# Altium PCB matrix.PcbDoc (part 2 of 5)
Units mm, origin at the board's own origin, x right, y up, seen from the top; angles counter-clockwise.
Board outline 350 x 105 mm, 2 copper layers (Top Layer, Bottom Layer), stack 1.571 mm thick; 187 components, 143 nets, 1443 pads, 602 vias.
Unrouted connection lines stored in the file: 3.
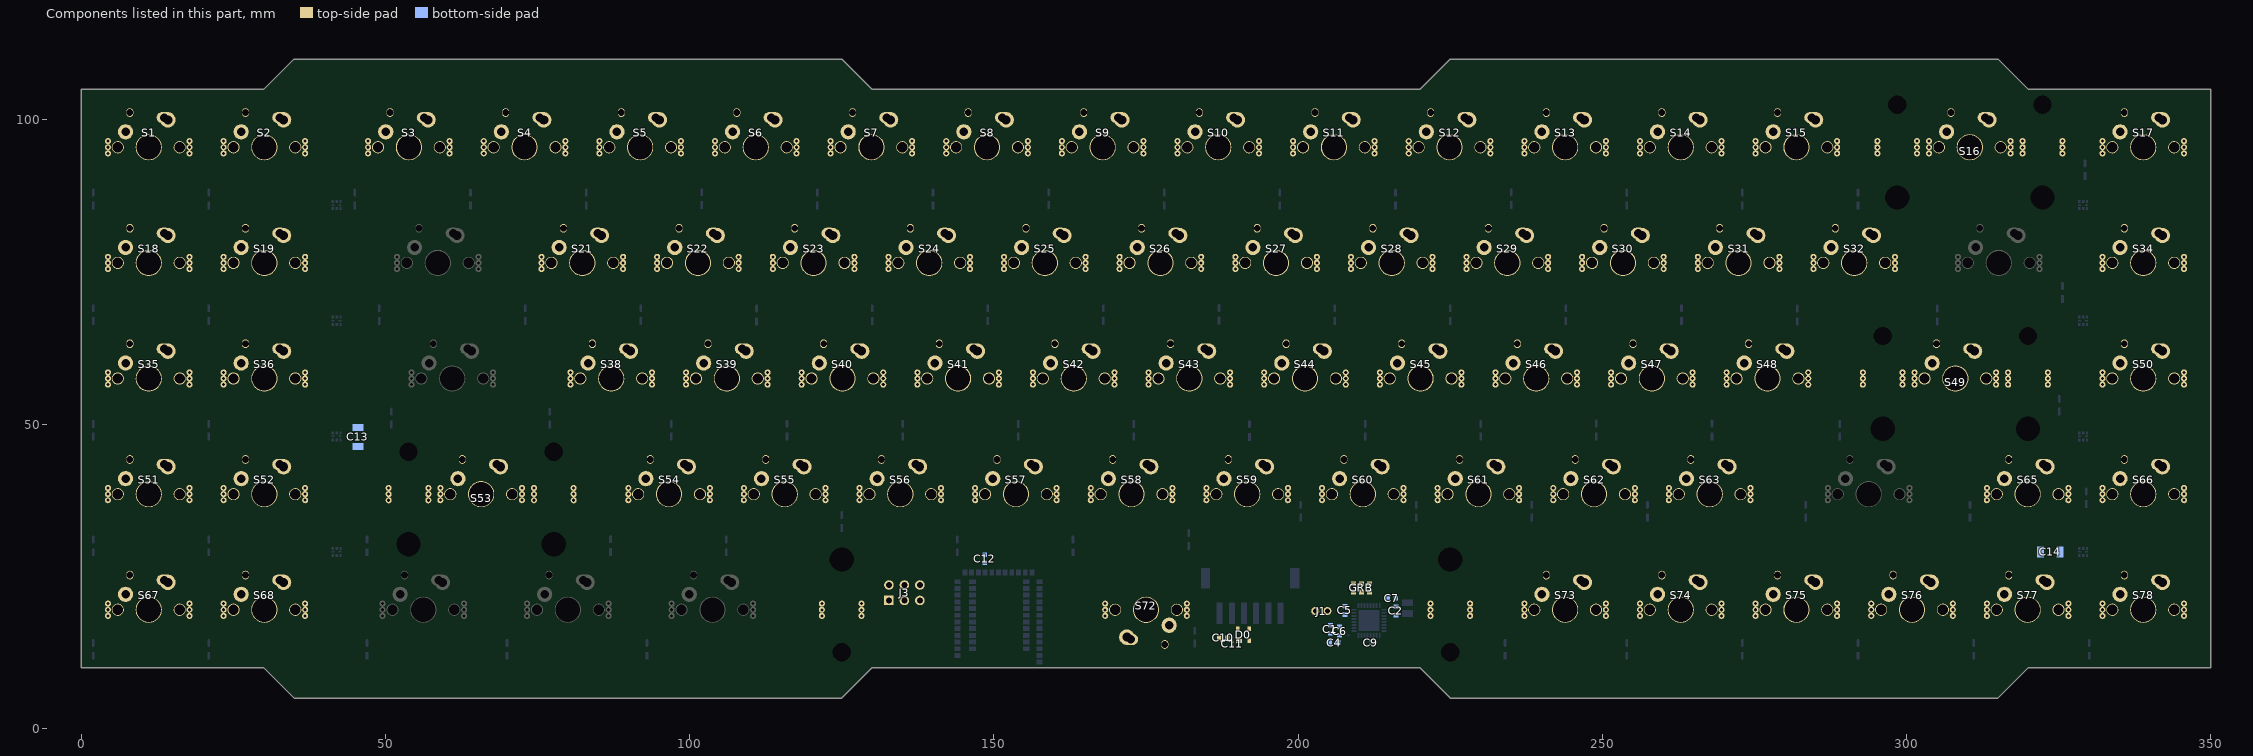
[diagram p2: the components of this part, seen from the top]

## Footprints (in the part's own frame and the unit in brackets; to place one, negate y for a bottom-side part, rotate by r counter-clockwise, add the part's x,y. Pads: shape width x height; smd on the part's side, far side on the other; paste and mask are expansions set on the pad) (continued)
1U-CHERRY-SMK-CUTOUT#8 [mm]
  round 4.3 hole 3.988: 0(0,0.002)
  round 1 hole 0.5 mask+0.05: 1(-6.7,-0.998) 1(-6.7,0.002) 1(-6.7,1.002) 2(6.7,-0.998) 2(6.7,0.002) 2(6.7,1.002)
  round 2 hole 1.702: 1(-5.08,0.002) 2(5.08,0.002)
  round 2.5 hole 1.4: 1(-3.81,2.542)
  oval 1.125x1.425 hole 1.1 square: 1(-3.1,5.702)
  oval 2.5x1.8 hole 1.4: 2(2.54,4.879)
  round 2.54 hole 1.5: 2(3.15,4.502)
  Top Layer region: -4.35,6 -4.35,4.602 -1.85,4.602 -1.85,6
  Top Layer lines w1: -4.3,1.002 -6.7,1.002 -6.7,0.002 -6.7,-0.998 -5.08,-0.998 -3.7,-0.998 ; 3.7,-0.998 5.08,-0.998 6.7,-0.998 6.7,0.002 6.7,1.002 ; 4.3,1.002 4.58,1.002 5.08,1.002 6.7,1.002 ; 6.7,1.002 6.7,1.002 ; 6.7,1.002 6.7,1.002 ; 6.7,1.002 6.7,1.002 ; 6.7,1.002 6.7,1.002
  Top Layer lines w1.1: -6.7,0.002 -5.08,0.002 ; -3.7,-0.998 -3.7,1.902 ; 3.7,-0.998 3.7,0.002 3.7,1.902 ; 5.08,0.002 6.7,0.002
  Top Layer lines w1.7: -5.08,0.002 -3.81,2.542 -3.11,4.942 ; 2.54,4.879 2.837,4.332 3.81,2.542 4.58,1.002 5.08,0.002
  Bottom Layer region: -4.35,6 -4.35,4.602 -1.85,4.602 -1.85,6
  Bottom Layer lines w1: -4.3,1.002 -6.7,1.002 -6.7,0.002 -6.7,-0.998 ; -3.7,-0.998 -5.08,-0.998 -6.7,-0.998 ; 3.7,-0.998 5.08,-0.998 6.7,-0.998 6.7,0.002 6.7,1.002 5.08,1.002 4.58,1.002 4.3,1.002 ; -6.7,-0.998 -6.7,-0.998 ; -6.7,-0.998 -6.7,-0.998
  Bottom Layer lines w1.1: -6.7,0.002 -5.08,0.002 ; -3.7,-0.998 -3.7,1.902 ; 3.7,-0.998 3.7,0.002 3.7,1.902 ; 5.08,0.002 6.7,0.002
  Bottom Layer lines w1.7: -5.08,0.002 -3.81,2.542 -3.11,4.942 ; 2.54,4.879 2.837,4.332 3.81,2.542 4.58,1.002 5.08,0.002
  Keep-Out Layer board cut-out: 7,-2.198 7,-6.598 6.969,-6.751 6.883,-6.88 6.753,-6.967 6.6,-6.998 6.6,-6.998 -6.6,-6.998 -6.753,-6.967 -6.883,-6.88 -6.97,-6.751 -7,-6.598 -7,-6.598 -7,-2.198 -6.961,-2.024 -6.85,-1.885 -6.689,-1.808 -6.511,-1.808 -6.351,-1.885 -6.24,-2.024 -6.2,-2.198 -6.2,-2.198 -6.2,-6.198 6.2,-6.198 6.2,-2.198 6.239,-2.024 6.35,-1.885 6.511,-1.808 6.689,-1.808 6.849,-1.885 6.96,-2.024 7,-2.198
  Keep-Out Layer board cut-out: 7,2.202 7,6.602 6.969,6.755 6.883,6.885 6.753,6.972 6.6,7.002 6.6,7.002 -6.6,7.002 -6.753,6.972 -6.883,6.885 -6.97,6.755 -7,6.602 -7,6.602 -7,2.202 -6.961,2.029 -6.85,1.89 -6.689,1.812 -6.511,1.812 -6.351,1.89 -6.24,2.029 -6.2,2.202 -6.2,2.202 -6.2,6.202 6.2,6.202 6.2,2.202 6.239,2.029 6.35,1.89 6.511,1.812 6.689,1.812 6.849,1.89 6.96,2.029 7,2.202
  Keep-Out Layer lines w0.1: -7,-6.598 ccw(c-6.6,-6.598) -6.6,-6.998 6.6,-6.998 ccw(c6.6,-6.598) 7,-6.598 7,-2.198 ccw(c6.6,-2.198) 6.2,-2.198 6.2,-6.198 -6.2,-6.198 -6.2,-2.198 ccw(c-6.6,-2.198) -7,-2.198 -7,-6.598 ; -7,2.202 ccw(c-6.6,2.202) -6.2,2.202 -6.2,6.202 6.2,6.202 6.2,2.202 ccw(c6.6,2.202) 7,2.202 7,6.602 ccw(c6.6,6.602) 6.6,7.002 -6.6,7.002 ccw(c-6.6,6.602) -7,6.602 -7,2.202
  body extent -9,-9 9,9, height 23
1U-CHERRY-SMK-CUTOUT#9 [mm]
  round 4.3 hole 3.988: 0(0,0.002)
  round 1 hole 0.5 mask+0.05: 1(-6.7,-0.998) 1(-6.7,0.002) 1(-6.7,1.002) 2(6.7,-0.998) 2(6.7,0.002) 2(6.7,1.002)
  round 2 hole 1.702: 1(-5.08,0.002) 2(5.08,0.002)
  round 2.5 hole 1.4: 1(-3.81,2.542)
  oval 1.125x1.425 hole 1.1 square: 1(-3.1,5.702)
  oval 2.5x1.8 hole 1.4: 2(2.54,4.879)
  round 2.54 hole 1.5: 2(3.15,4.502)
  Top Layer region: -4.35,6 -4.35,4.602 -1.85,4.602 -1.85,6
  Top Layer lines w1: -4.3,1.002 -6.7,1.002 -6.7,0.002 -6.7,-0.998 -5.08,-0.998 -3.7,-0.998 ; 3.7,-0.998 5.08,-0.998 6.7,-0.998 6.7,0.002 6.7,1.002 ; 4.3,1.002 4.58,1.002 5.08,1.002 6.7,1.002 ; 6.7,1.002 6.7,1.002 ; 6.7,1.002 6.7,1.002 ; 6.7,1.002 6.7,1.002
  Top Layer lines w1.1: -6.7,0.002 -5.08,0.002 ; -3.7,-0.998 -3.7,1.902 ; 3.7,-0.998 3.7,1.902 ; 5.08,0.002 6.7,0.002
  Top Layer lines w1.7: -5.08,0.002 -3.81,2.542 -3.11,4.942 ; 2.54,4.879 3.81,2.542 5.08,0.002
  Bottom Layer region: -4.35,6 -4.35,4.602 -1.85,4.602 -1.85,6
  Bottom Layer lines w1: -4.3,1.002 -6.7,1.002 -6.7,0.002 -6.7,-0.998 ; -3.7,-0.998 -5.08,-0.998 -6.7,-0.998 ; 3.7,-0.998 5.08,-0.998 6.7,-0.998 6.7,0.002 6.7,1.002 5.08,1.002 4.58,1.002 4.3,1.002 ; -6.7,-0.998 -6.7,-0.998 ; -6.7,-0.998 -6.7,-0.998
  Bottom Layer lines w1.1: -6.7,0.002 -5.08,0.002 ; -3.7,-0.998 -3.7,1.902 ; 3.7,-0.998 3.7,1.902 ; 5.08,0.002 6.7,0.002
  Bottom Layer lines w1.7: -5.08,0.002 -3.81,2.542 -3.11,4.942 ; 2.54,4.879 3.81,2.542 5.08,0.002
  Keep-Out Layer board cut-out: 7,-2.198 7,-6.598 6.969,-6.751 6.883,-6.88 6.753,-6.967 6.6,-6.998 6.6,-6.998 -6.6,-6.998 -6.753,-6.967 -6.883,-6.88 -6.97,-6.751 -7,-6.598 -7,-6.598 -7,-2.198 -6.961,-2.024 -6.85,-1.885 -6.689,-1.808 -6.511,-1.808 -6.351,-1.885 -6.24,-2.024 -6.2,-2.198 -6.2,-2.198 -6.2,-6.198 6.2,-6.198 6.2,-2.198 6.239,-2.024 6.35,-1.885 6.511,-1.808 6.689,-1.808 6.849,-1.885 6.96,-2.024 7,-2.198
  Keep-Out Layer board cut-out: 7,2.202 7,6.602 6.969,6.755 6.883,6.885 6.753,6.972 6.6,7.002 6.6,7.002 -6.6,7.002 -6.753,6.972 -6.883,6.885 -6.97,6.755 -7,6.602 -7,6.602 -7,2.202 -6.961,2.029 -6.85,1.89 -6.689,1.812 -6.511,1.812 -6.351,1.89 -6.24,2.029 -6.2,2.202 -6.2,2.202 -6.2,6.202 6.2,6.202 6.2,2.202 6.239,2.029 6.35,1.89 6.511,1.812 6.689,1.812 6.849,1.89 6.96,2.029 7,2.202
  Keep-Out Layer lines w0.1: -7,-6.598 ccw(c-6.6,-6.598) -6.6,-6.998 6.6,-6.998 ccw(c6.6,-6.598) 7,-6.598 7,-2.198 ccw(c6.6,-2.198) 6.2,-2.198 6.2,-6.198 -6.2,-6.198 -6.2,-2.198 ccw(c-6.6,-2.198) -7,-2.198 -7,-6.598 ; -7,2.202 ccw(c-6.6,2.202) -6.2,2.202 -6.2,6.202 6.2,6.202 6.2,2.202 ccw(c6.6,2.202) 7,2.202 7,6.602 ccw(c6.6,6.602) 6.6,7.002 -6.6,7.002 ccw(c-6.6,6.602) -7,6.602 -7,2.202
  body extent -9,-9 9,9, height 23
1U-CHERRY-SMK-CUTOUT#10 [mm]
  round 4.3 hole 3.988: 0(0,0.002)
  round 1 hole 0.5 mask+0.05: 1(-6.7,-0.998) 1(-6.7,0.002) 1(-6.7,1.002) 2(6.7,-0.998) 2(6.7,0.002) 2(6.7,1.002)
  round 2 hole 1.702: 1(-5.08,0.002) 2(5.08,0.002)
  round 2.5 hole 1.4: 1(-3.81,2.542)
  oval 1.125x1.425 hole 1.1 square: 1(-3.1,5.702)
  oval 2.5x1.8 hole 1.4: 2(2.54,4.879)
  round 2.54 hole 1.5: 2(3.15,4.502)
  Top Layer region: -4.35,6 -4.35,4.602 -1.85,4.602 -1.85,6
  Top Layer lines w1: -4.3,1.002 -6.7,1.002 -6.7,0.002 -6.7,-0.998 -5.08,-0.998 -3.7,-0.998 ; 3.7,-0.998 5.08,-0.998 6.7,-0.998 6.7,0.002 6.7,1.002 ; 4.3,1.002 4.58,1.002 5.08,1.002 6.7,1.002 ; 6.7,1.002 6.7,1.002 ; 6.7,1.002 6.7,1.002 ; 6.7,1.002 6.7,1.002 ; 6.7,1.002 6.7,1.002 ; 6.7,1.002 6.7,1.002
  Top Layer lines w1.1: -6.7,0.002 -5.08,0.002 ; -3.7,-0.998 -3.7,1.902 ; 3.7,-0.998 3.7,0.002 3.7,1.902 ; 5.08,0.002 6.7,0.002
  Top Layer lines w1.7: -5.08,0.002 -3.81,2.542 -3.11,4.942 ; 2.54,4.879 2.837,4.332 3.81,2.542 4.58,1.002 5.08,0.002
  Bottom Layer region: -4.35,6 -4.35,4.602 -1.85,4.602 -1.85,6
  Bottom Layer lines w1: -4.3,1.002 -6.7,1.002 -6.7,0.002 -6.7,-0.998 ; -3.7,-0.998 -5.08,-0.998 -6.7,-0.998 ; 3.7,-0.998 5.08,-0.998 6.7,-0.998 6.7,0.002 6.7,1.002 5.08,1.002 4.58,1.002 4.3,1.002 ; -6.7,-0.998 -6.7,-0.998 ; -6.7,-0.998 -6.7,-0.998 ; -6.7,-0.998 -6.7,-0.998
  Bottom Layer lines w1.1: -6.7,0.002 -5.08,0.002 ; -3.7,-0.998 -3.7,1.902 ; 3.7,-0.998 3.7,0.002 3.7,1.902 ; 5.08,0.002 6.7,0.002
  Bottom Layer lines w1.7: -5.08,0.002 -3.81,2.542 -3.11,4.942 ; 2.54,4.879 2.837,4.332 3.81,2.542 4.58,1.002 5.08,0.002
  Keep-Out Layer board cut-out: 7,-2.198 7,-6.598 6.969,-6.751 6.883,-6.88 6.753,-6.967 6.6,-6.998 6.6,-6.998 -6.6,-6.998 -6.753,-6.967 -6.883,-6.88 -6.97,-6.751 -7,-6.598 -7,-6.598 -7,-2.198 -6.961,-2.024 -6.85,-1.885 -6.689,-1.808 -6.511,-1.808 -6.351,-1.885 -6.24,-2.024 -6.2,-2.198 -6.2,-2.198 -6.2,-6.198 6.2,-6.198 6.2,-2.198 6.239,-2.024 6.35,-1.885 6.511,-1.808 6.689,-1.808 6.849,-1.885 6.96,-2.024 7,-2.198
  Keep-Out Layer board cut-out: 7,2.202 7,6.602 6.969,6.755 6.883,6.885 6.753,6.972 6.6,7.002 6.6,7.002 -6.6,7.002 -6.753,6.972 -6.883,6.885 -6.97,6.755 -7,6.602 -7,6.602 -7,2.202 -6.961,2.029 -6.85,1.89 -6.689,1.812 -6.511,1.812 -6.351,1.89 -6.24,2.029 -6.2,2.202 -6.2,2.202 -6.2,6.202 6.2,6.202 6.2,2.202 6.239,2.029 6.35,1.89 6.511,1.812 6.689,1.812 6.849,1.89 6.96,2.029 7,2.202
  Keep-Out Layer lines w0.1: -7,-6.598 ccw(c-6.6,-6.598) -6.6,-6.998 6.6,-6.998 ccw(c6.6,-6.598) 7,-6.598 7,-2.198 ccw(c6.6,-2.198) 6.2,-2.198 6.2,-6.198 -6.2,-6.198 -6.2,-2.198 ccw(c-6.6,-2.198) -7,-2.198 -7,-6.598 ; -7,2.202 ccw(c-6.6,2.202) -6.2,2.202 -6.2,6.202 6.2,6.202 6.2,2.202 ccw(c6.6,2.202) 7,2.202 7,6.602 ccw(c6.6,6.602) 6.6,7.002 -6.6,7.002 ccw(c-6.6,6.602) -7,6.602 -7,2.202
  body extent -9,-9 9,9, height 23
1U-CHERRY-SMK-CUTOUT#11 [mm]
  round 4.3 hole 3.988: 0(0,0.002)
  round 1 hole 0.5 mask+0.05: 1(-6.7,-0.998) 1(-6.7,0.002) 1(-6.7,1.002) 2(6.7,-0.998) 2(6.7,0.002) 2(6.7,1.002)
  round 2 hole 1.702: 1(-5.08,0.002) 2(5.08,0.002)
  round 2.5 hole 1.4: 1(-3.81,2.542)
  oval 1.125x1.425 hole 1.1 square: 1(-3.1,5.702)
  oval 2.5x1.8 hole 1.4: 2(2.54,4.879)
  round 2.54 hole 1.5: 2(3.15,4.502)
  Top Layer region: -4.35,6 -4.35,4.602 -1.85,4.602 -1.85,6
  Top Layer lines w1: -4.3,1.002 -6.7,1.002 -6.7,0.002 -6.7,-0.998 -5.08,-0.998 -3.7,-0.998 ; 3.7,-0.998 5.08,-0.998 6.7,-0.998 6.7,0.002 6.7,1.002 5.08,1.002 4.58,1.002 4.3,1.002
  Top Layer lines w1.1: -6.7,0.002 -5.08,0.002 ; -3.7,-0.998 -3.7,1.902 ; 3.7,-0.998 3.7,0.002 3.7,1.902 ; 5.08,0.002 6.7,0.002
  Top Layer lines w1.7: -5.08,0.002 -3.81,2.542 -3.11,4.942 ; 2.54,4.879 2.837,4.332 3.81,2.542 4.58,1.002 5.08,0.002
  Bottom Layer region: -4.35,6 -4.35,4.602 -1.85,4.602 -1.85,6
  Bottom Layer lines w1: -4.3,1.002 -6.7,1.002 -6.7,0.002 -6.7,-0.998 -5.08,-0.998 -3.7,-0.998 ; 3.7,-0.998 5.08,-0.998 6.7,-0.998 6.7,0.002 6.7,1.002 5.08,1.002 4.58,1.002 4.3,1.002
  Bottom Layer lines w1.1: -6.7,0.002 -5.08,0.002 ; -3.7,-0.998 -3.7,1.902 ; 3.7,-0.998 3.7,0.002 3.7,1.902 ; 5.08,0.002 6.7,0.002
  Bottom Layer lines w1.7: -5.08,0.002 -3.81,2.542 -3.11,4.942 ; 2.54,4.879 2.837,4.332 3.81,2.542 4.58,1.002 5.08,0.002
  Keep-Out Layer board cut-out: 7,-2.198 7,-6.598 6.969,-6.751 6.883,-6.88 6.753,-6.967 6.6,-6.998 6.6,-6.998 -6.6,-6.998 -6.753,-6.967 -6.883,-6.88 -6.97,-6.751 -7,-6.598 -7,-6.598 -7,-2.198 -6.961,-2.024 -6.85,-1.885 -6.689,-1.808 -6.511,-1.808 -6.351,-1.885 -6.24,-2.024 -6.2,-2.198 -6.2,-2.198 -6.2,-6.198 6.2,-6.198 6.2,-2.198 6.239,-2.024 6.35,-1.885 6.511,-1.808 6.689,-1.808 6.849,-1.885 6.96,-2.024 7,-2.198
  Keep-Out Layer board cut-out: 7,2.202 7,6.602 6.969,6.755 6.883,6.885 6.753,6.972 6.6,7.002 6.6,7.002 -6.6,7.002 -6.753,6.972 -6.883,6.885 -6.97,6.755 -7,6.602 -7,6.602 -7,2.202 -6.961,2.029 -6.85,1.89 -6.689,1.812 -6.511,1.812 -6.351,1.89 -6.24,2.029 -6.2,2.202 -6.2,2.202 -6.2,6.202 6.2,6.202 6.2,2.202 6.239,2.029 6.35,1.89 6.511,1.812 6.689,1.812 6.849,1.89 6.96,2.029 7,2.202
  Keep-Out Layer lines w0.1: -7,-6.598 ccw(c-6.6,-6.598) -6.6,-6.998 6.6,-6.998 ccw(c6.6,-6.598) 7,-6.598 7,-2.198 ccw(c6.6,-2.198) 6.2,-2.198 6.2,-6.198 -6.2,-6.198 -6.2,-2.198 ccw(c-6.6,-2.198) -7,-2.198 -7,-6.598 ; -7,2.202 ccw(c-6.6,2.202) -6.2,2.202 -6.2,6.202 6.2,6.202 6.2,2.202 ccw(c6.6,2.202) 7,2.202 7,6.602 ccw(c6.6,6.602) 6.6,7.002 -6.6,7.002 ccw(c-6.6,6.602) -7,6.602 -7,2.202
  body extent -9,-9 9,9, height 23
1U-CHERRY-SMK-CUTOUT#12 [mm]
  round 4.3 hole 3.988: 0(0,0.002)
  round 1 hole 0.5 mask+0.05: 1(-6.7,-0.998) 1(-6.7,0.002) 1(-6.7,1.002) 2(6.7,-0.998) 2(6.7,0.002) 2(6.7,1.002)
  round 2 hole 1.702: 1(-5.08,0.002) 2(5.08,0.002)
  round 2.5 hole 1.4: 1(-3.81,2.542)
  oval 1.125x1.425 hole 1.1 square: 1(-3.1,5.702)
  oval 2.5x1.8 hole 1.4: 2(2.54,4.879)
  round 2.54 hole 1.5: 2(3.15,4.502)
  Top Layer region: -4.35,6 -4.35,4.602 -1.85,4.602 -1.85,6
  Top Layer lines w1: -4.3,1.002 -4.58,1.002 -5.08,1.002 -6.7,1.002 -6.7,0.002 -6.7,-0.998 -5.08,-0.998 -3.7,-0.998 ; 3.7,-0.998 6.7,-0.998 6.7,0.002 6.7,1.002 5.08,1.002 4.58,1.002 4.3,1.002
  Top Layer lines w1.1: -6.7,0.002 -5.08,0.002 ; -3.7,-0.998 -3.7,0.002 -3.7,1.902 ; 3.7,-0.998 3.7,1.902 ; 5.08,0.002 6.7,0.002
  Top Layer lines w1.7: -5.08,0.002 -4.58,1.002 -3.81,2.542 -3.11,4.942 ; 2.54,4.879 3.81,2.542 5.08,0.002
  Bottom Layer region: -4.35,6 -4.35,4.602 -1.85,4.602 -1.85,6
  Bottom Layer lines w1: -4.3,1.002 -4.58,1.002 -5.08,1.002 -6.7,1.002 -6.7,0.002 -6.7,-0.998 ; -3.7,-0.998 -5.08,-0.998 -6.7,-0.998 ; 3.7,-0.998 6.7,-0.998 6.7,0.002 6.7,1.002 5.08,1.002 4.58,1.002 4.3,1.002 ; -6.7,-0.998 -6.7,-0.998 ; -6.7,-0.998 -6.7,-0.998 ; -6.7,-0.998 -6.7,-0.998
  Bottom Layer lines w1.1: -6.7,0.002 -5.08,0.002 ; -3.7,-0.998 -3.7,0.002 -3.7,1.902 ; 3.7,-0.998 3.7,1.902 ; 5.08,0.002 6.7,0.002
  Bottom Layer lines w1.7: -5.08,0.002 -4.58,1.002 -3.81,2.542 -3.11,4.942 ; 2.54,4.879 3.81,2.542 5.08,0.002
  Keep-Out Layer board cut-out: 7,2.202 7,6.602 6.969,6.755 6.883,6.885 6.753,6.972 6.6,7.002 6.6,7.002 -6.6,7.002 -6.753,6.972 -6.883,6.885 -6.97,6.755 -7,6.602 -7,6.602 -7,2.202 -6.961,2.029 -6.85,1.89 -6.689,1.812 -6.511,1.812 -6.351,1.89 -6.24,2.029 -6.2,2.202 -6.2,2.202 -6.2,6.202 6.2,6.202 6.2,2.202 6.239,2.029 6.35,1.89 6.511,1.812 6.689,1.812 6.849,1.89 6.96,2.029 7,2.202
  Keep-Out Layer board cut-out: 7,-2.198 7,-6.598 6.969,-6.751 6.883,-6.88 6.753,-6.967 6.6,-6.998 6.6,-6.998 -6.6,-6.998 -6.753,-6.967 -6.883,-6.88 -6.97,-6.751 -7,-6.598 -7,-6.598 -7,-2.198 -6.961,-2.024 -6.85,-1.885 -6.689,-1.808 -6.511,-1.808 -6.351,-1.885 -6.24,-2.024 -6.2,-2.198 -6.2,-2.198 -6.2,-6.198 6.2,-6.198 6.2,-2.198 6.239,-2.024 6.35,-1.885 6.511,-1.808 6.689,-1.808 6.849,-1.885 6.96,-2.024 7,-2.198
  Keep-Out Layer lines w0.1: -7,-6.598 ccw(c-6.6,-6.598) -6.6,-6.998 6.6,-6.998 ccw(c6.6,-6.598) 7,-6.598 7,-2.198 ccw(c6.6,-2.198) 6.2,-2.198 6.2,-6.198 -6.2,-6.198 -6.2,-2.198 ccw(c-6.6,-2.198) -7,-2.198 -7,-6.598 ; -7,2.202 ccw(c-6.6,2.202) -6.2,2.202 -6.2,6.202 6.2,6.202 6.2,2.202 ccw(c6.6,2.202) 7,2.202 7,6.602 ccw(c6.6,6.602) 6.6,7.002 -6.6,7.002 ccw(c-6.6,6.602) -7,6.602 -7,2.202
  body extent -9,-9 9,9, height 23
1U-CHERRY-SMK-CUTOUT#13 [mm]
  round 4.3 hole 3.988: 0(0,0.002)
  round 1 hole 0.5 mask+0.05: 1(-6.7,-0.998) 1(-6.7,0.002) 1(-6.7,1.002) 2(6.7,-0.998) 2(6.7,0.002) 2(6.7,1.002)
  round 2 hole 1.702: 1(-5.08,0.002) 2(5.08,0.002)
  round 2.5 hole 1.4: 1(-3.81,2.542)
  oval 1.125x1.425 hole 1.1 square: 1(-3.1,5.702)
  oval 2.5x1.8 hole 1.4: 2(2.54,4.879)
  round 2.54 hole 1.5: 2(3.15,4.502)
  Top Layer region: -4.35,6 -4.35,4.602 -1.85,4.602 -1.85,6
  Top Layer lines w1: -4.3,1.002 -4.58,1.002 -5.08,1.002 -6.7,1.002 -6.7,0.002 -6.7,-0.998 -5.08,-0.998 -3.7,-0.998 ; 3.7,-0.998 5.08,-0.998 6.7,-0.998 6.7,0.002 6.7,1.002 ; 4.3,1.002 4.58,1.002 5.08,1.002 6.7,1.002 ; 6.7,1.002 6.7,1.002 ; 6.7,1.002 6.7,1.002 ; 6.7,1.002 6.7,1.002 ; 6.7,1.002 6.7,1.002 ; 6.7,1.002 6.7,1.002
  Top Layer lines w1.1: -6.7,0.002 -5.08,0.002 ; -3.7,-0.998 -3.7,1.902 ; 3.7,-0.998 3.7,0.002 3.7,1.902 ; 5.08,0.002 6.7,0.002
  Top Layer lines w1.7: -5.08,0.002 -3.81,2.542 -3.11,4.942 ; 2.54,4.879 2.837,4.332 3.81,2.542 4.58,1.002 5.08,0.002
  Bottom Layer region: -4.35,6 -4.35,4.602 -1.85,4.602 -1.85,6
  Bottom Layer lines w1: -4.3,1.002 -4.58,1.002 -5.08,1.002 -6.7,1.002 -6.7,0.002 -6.7,-0.998 ; -3.7,-0.998 -5.08,-0.998 -6.7,-0.998 ; 3.7,-0.998 5.08,-0.998 6.7,-0.998 6.7,0.002 6.7,1.002 5.08,1.002 4.58,1.002 4.3,1.002 ; -6.7,-0.998 -6.7,-0.998 ; -6.7,-0.998 -6.7,-0.998
  Bottom Layer lines w1.1: -6.7,0.002 -5.08,0.002 ; -3.7,-0.998 -3.7,1.902 ; 3.7,-0.998 3.7,0.002 3.7,1.902 ; 5.08,0.002 6.7,0.002
  Bottom Layer lines w1.7: -5.08,0.002 -3.81,2.542 -3.11,4.942 ; 2.54,4.879 2.837,4.332 3.81,2.542 4.58,1.002 5.08,0.002
  Keep-Out Layer board cut-out: 7,-2.198 7,-6.598 6.969,-6.751 6.883,-6.88 6.753,-6.967 6.6,-6.998 6.6,-6.998 -6.6,-6.998 -6.753,-6.967 -6.883,-6.88 -6.97,-6.751 -7,-6.598 -7,-6.598 -7,-2.198 -6.961,-2.024 -6.85,-1.885 -6.689,-1.808 -6.511,-1.808 -6.351,-1.885 -6.24,-2.024 -6.2,-2.198 -6.2,-2.198 -6.2,-6.198 6.2,-6.198 6.2,-2.198 6.239,-2.024 6.35,-1.885 6.511,-1.808 6.689,-1.808 6.849,-1.885 6.96,-2.024 7,-2.198
  Keep-Out Layer board cut-out: 7,2.202 7,6.602 6.969,6.755 6.883,6.885 6.753,6.972 6.6,7.002 6.6,7.002 -6.6,7.002 -6.753,6.972 -6.883,6.885 -6.97,6.755 -7,6.602 -7,6.602 -7,2.202 -6.961,2.029 -6.85,1.89 -6.689,1.812 -6.511,1.812 -6.351,1.89 -6.24,2.029 -6.2,2.202 -6.2,2.202 -6.2,6.202 6.2,6.202 6.2,2.202 6.239,2.029 6.35,1.89 6.511,1.812 6.689,1.812 6.849,1.89 6.96,2.029 7,2.202
  Keep-Out Layer lines w0.1: -7,-6.598 ccw(c-6.6,-6.598) -6.6,-6.998 6.6,-6.998 ccw(c6.6,-6.598) 7,-6.598 7,-2.198 ccw(c6.6,-2.198) 6.2,-2.198 6.2,-6.198 -6.2,-6.198 -6.2,-2.198 ccw(c-6.6,-2.198) -7,-2.198 -7,-6.598 ; -7,2.202 ccw(c-6.6,2.202) -6.2,2.202 -6.2,6.202 6.2,6.202 6.2,2.202 ccw(c6.6,2.202) 7,2.202 7,6.602 ccw(c6.6,6.602) 6.6,7.002 -6.6,7.002 ccw(c-6.6,6.602) -7,6.602 -7,2.202
  body extent -9,-9 9,9, height 23
1U-CHERRY-SMK-CUTOUT#14 [mm]
  round 4.3 hole 3.988: 0(0,0.002)
  round 1 hole 0.5 mask+0.05: 1(-6.7,-0.998) 1(-6.7,0.002) 1(-6.7,1.002) 2(6.7,-0.998) 2(6.7,0.002) 2(6.7,1.002)
  round 2 hole 1.702: 1(-5.08,0.002) 2(5.08,0.002)
  round 2.5 hole 1.4: 1(-3.81,2.542)
  oval 1.125x1.425 hole 1.1 square: 1(-3.1,5.702)
  oval 2.5x1.8 hole 1.4: 2(2.54,4.879)
  round 2.54 hole 1.5: 2(3.15,4.502)
  Top Layer region: -4.35,6 -4.35,4.602 -1.85,4.602 -1.85,6
  Top Layer lines w1: -4.3,1.002 -6.7,1.002 -6.7,0.002 -6.7,-0.998 -5.08,-0.998 -3.7,-0.998 ; 3.7,-0.998 6.7,-0.998 6.7,0.002 6.7,1.002 ; 4.3,1.002 4.58,1.002 5.08,1.002 6.7,1.002 ; 6.7,1.002 6.7,1.002 ; 6.7,1.002 6.7,1.002
  Top Layer lines w1.1: -6.7,0.002 -5.08,0.002 ; -3.7,-0.998 -3.7,1.902 ; 3.7,-0.998 3.7,1.902 ; 5.08,0.002 6.7,0.002
  Top Layer lines w1.7: -5.08,0.002 -3.81,2.542 -3.11,4.942 ; 2.54,4.879 3.81,2.542 5.08,0.002
  Bottom Layer region: -4.35,6 -4.35,4.602 -1.85,4.602 -1.85,6
  Bottom Layer lines w1: -4.3,1.002 -6.7,1.002 -6.7,0.002 -6.7,-0.998 ; -3.7,-0.998 -5.08,-0.998 -6.7,-0.998 ; 3.7,-0.998 6.7,-0.998 6.7,0.002 6.7,1.002 5.08,1.002 4.58,1.002 4.3,1.002 ; -6.7,-0.998 -6.7,-0.998 ; -6.7,-0.998 -6.7,-0.998
  Bottom Layer lines w1.1: -6.7,0.002 -5.08,0.002 ; -3.7,-0.998 -3.7,1.902 ; 3.7,-0.998 3.7,1.902 ; 5.08,0.002 6.7,0.002
  Bottom Layer lines w1.7: -5.08,0.002 -3.81,2.542 -3.11,4.942 ; 2.54,4.879 3.81,2.542 5.08,0.002
  Keep-Out Layer board cut-out: 7,-2.198 7,-6.598 6.969,-6.751 6.883,-6.88 6.753,-6.967 6.6,-6.998 6.6,-6.998 -6.6,-6.998 -6.753,-6.967 -6.883,-6.88 -6.97,-6.751 -7,-6.598 -7,-6.598 -7,-2.198 -6.961,-2.024 -6.85,-1.885 -6.689,-1.808 -6.511,-1.808 -6.351,-1.885 -6.24,-2.024 -6.2,-2.198 -6.2,-2.198 -6.2,-6.198 6.2,-6.198 6.2,-2.198 6.239,-2.024 6.35,-1.885 6.511,-1.808 6.689,-1.808 6.849,-1.885 6.96,-2.024 7,-2.198
  Keep-Out Layer board cut-out: 7,2.202 7,6.602 6.969,6.755 6.883,6.885 6.753,6.972 6.6,7.002 6.6,7.002 -6.6,7.002 -6.753,6.972 -6.883,6.885 -6.97,6.755 -7,6.602 -7,6.602 -7,2.202 -6.961,2.029 -6.85,1.89 -6.689,1.812 -6.511,1.812 -6.351,1.89 -6.24,2.029 -6.2,2.202 -6.2,2.202 -6.2,6.202 6.2,6.202 6.2,2.202 6.239,2.029 6.35,1.89 6.511,1.812 6.689,1.812 6.849,1.89 6.96,2.029 7,2.202
  Keep-Out Layer lines w0.1: -7,-6.598 ccw(c-6.6,-6.598) -6.6,-6.998 6.6,-6.998 ccw(c6.6,-6.598) 7,-6.598 7,-2.198 ccw(c6.6,-2.198) 6.2,-2.198 6.2,-6.198 -6.2,-6.198 -6.2,-2.198 ccw(c-6.6,-2.198) -7,-2.198 -7,-6.598 ; -7,2.202 ccw(c-6.6,2.202) -6.2,2.202 -6.2,6.202 6.2,6.202 6.2,2.202 ccw(c6.6,2.202) 7,2.202 7,6.602 ccw(c6.6,6.602) 6.6,7.002 -6.6,7.002 ccw(c-6.6,6.602) -7,6.602 -7,2.202
  body extent -9,-9 9,9, height 23
1U-CHERRY-SMK-CUTOUT#15 [mm]
  round 4.3 hole 3.988: 0(0,0.002)
  round 1 hole 0.5 mask+0.05: 1(-6.7,-0.998) 1(-6.7,0.002) 1(-6.7,1.002) 2(6.7,-0.998) 2(6.7,0.002) 2(6.7,1.002)
  round 2 hole 1.702: 1(-5.08,0.002) 2(5.08,0.002)
  round 2.5 hole 1.4: 1(-3.81,2.542)
  oval 1.125x1.425 hole 1.1 square: 1(-3.1,5.702)
  oval 2.5x1.8 hole 1.4: 2(2.54,4.879)
  round 2.54 hole 1.5: 2(3.15,4.502)
  Top Layer region: -4.35,6 -4.35,4.602 -1.85,4.602 -1.85,6
  Top Layer lines w1: -4.3,1.002 -6.7,1.002 -6.7,0.002 -6.7,-0.998 -5.08,-0.998 -3.7,-0.998 ; 3.7,-0.998 6.7,-0.998 6.7,0.002 6.7,1.002 ; 4.3,1.002 4.58,1.002 5.08,1.002 6.7,1.002 ; 6.7,1.002 6.7,1.002 ; 6.7,1.002 6.7,1.002
  Top Layer lines w1.1: -6.7,0.002 -5.08,0.002 ; -3.7,-0.998 -3.7,1.902 ; 3.7,-0.998 3.7,1.902 ; 5.08,0.002 6.7,0.002
  Top Layer lines w1.7: -5.08,0.002 -3.81,2.542 -3.11,4.942 ; 2.54,4.879 3.81,2.542 5.08,0.002
  Bottom Layer region: -4.35,6 -4.35,4.602 -1.85,4.602 -1.85,6
  Bottom Layer lines w1: -4.3,1.002 -6.7,1.002 -6.7,0.002 -6.7,-0.998 -5.08,-0.998 -3.7,-0.998 ; 3.7,-0.998 6.7,-0.998 6.7,0.002 6.7,1.002 5.08,1.002 4.58,1.002 4.3,1.002
  Bottom Layer lines w1.1: -6.7,0.002 -5.08,0.002 ; -3.7,-0.998 -3.7,1.902 ; 3.7,-0.998 3.7,1.902 ; 5.08,0.002 6.7,0.002
  Bottom Layer lines w1.7: -5.08,0.002 -3.81,2.542 -3.11,4.942 ; 2.54,4.879 3.81,2.542 5.08,0.002
  Keep-Out Layer board cut-out: 7,-2.198 7,-6.598 6.969,-6.751 6.883,-6.88 6.753,-6.967 6.6,-6.998 6.6,-6.998 -6.6,-6.998 -6.753,-6.967 -6.883,-6.88 -6.97,-6.751 -7,-6.598 -7,-6.598 -7,-2.198 -6.961,-2.024 -6.85,-1.885 -6.689,-1.808 -6.511,-1.808 -6.351,-1.885 -6.24,-2.024 -6.2,-2.198 -6.2,-2.198 -6.2,-6.198 6.2,-6.198 6.2,-2.198 6.239,-2.024 6.35,-1.885 6.511,-1.808 6.689,-1.808 6.849,-1.885 6.96,-2.024 7,-2.198
  Keep-Out Layer board cut-out: 7,2.202 7,6.602 6.969,6.755 6.883,6.885 6.753,6.972 6.6,7.002 6.6,7.002 -6.6,7.002 -6.753,6.972 -6.883,6.885 -6.97,6.755 -7,6.602 -7,6.602 -7,2.202 -6.961,2.029 -6.85,1.89 -6.689,1.812 -6.511,1.812 -6.351,1.89 -6.24,2.029 -6.2,2.202 -6.2,2.202 -6.2,6.202 6.2,6.202 6.2,2.202 6.239,2.029 6.35,1.89 6.511,1.812 6.689,1.812 6.849,1.89 6.96,2.029 7,2.202
  Keep-Out Layer lines w0.1: -7,-6.598 ccw(c-6.6,-6.598) -6.6,-6.998 6.6,-6.998 ccw(c6.6,-6.598) 7,-6.598 7,-2.198 ccw(c6.6,-2.198) 6.2,-2.198 6.2,-6.198 -6.2,-6.198 -6.2,-2.198 ccw(c-6.6,-2.198) -7,-2.198 -7,-6.598 ; -7,2.202 ccw(c-6.6,2.202) -6.2,2.202 -6.2,6.202 6.2,6.202 6.2,2.202 ccw(c6.6,2.202) 7,2.202 7,6.602 ccw(c6.6,6.602) 6.6,7.002 -6.6,7.002 ccw(c-6.6,6.602) -7,6.602 -7,2.202
  body extent -9,-9 9,9, height 23
2.25U-STAB-CHERRY-SMK-CUTOUT#1 [mm]
  round 4.3 hole 3.988: 0(0,0.002)
  round 1 hole 0.5 mask+0.05: 1(-15.2,-1) 1(-15.2,0) 1(-15.2,1) 1(-8.68,-1) 1(-8.68,0) 1(-8.68,1) 1(-6.7,-0.998) 1(-6.7,0.002) 1(-6.7,1.002) 2(6.7,-0.998) 2(6.7,0.002) 2(6.7,1.002) 2(8.68,-1) 2(8.68,0) 2(8.68,1) 2(15.2,-1) 2(15.2,0) 2(15.2,1)
  round 2 hole 1.702: 1(-5.08,0.002) 2(5.08,0.002)
  round 2.5 hole 1.4: 1(-3.81,2.542)
  oval 1.125x1.425 hole 1.1 square: 1(-3.1,5.702)